# Allegro board BeagleV-FIRE_REV-A_230911.brd (continued)
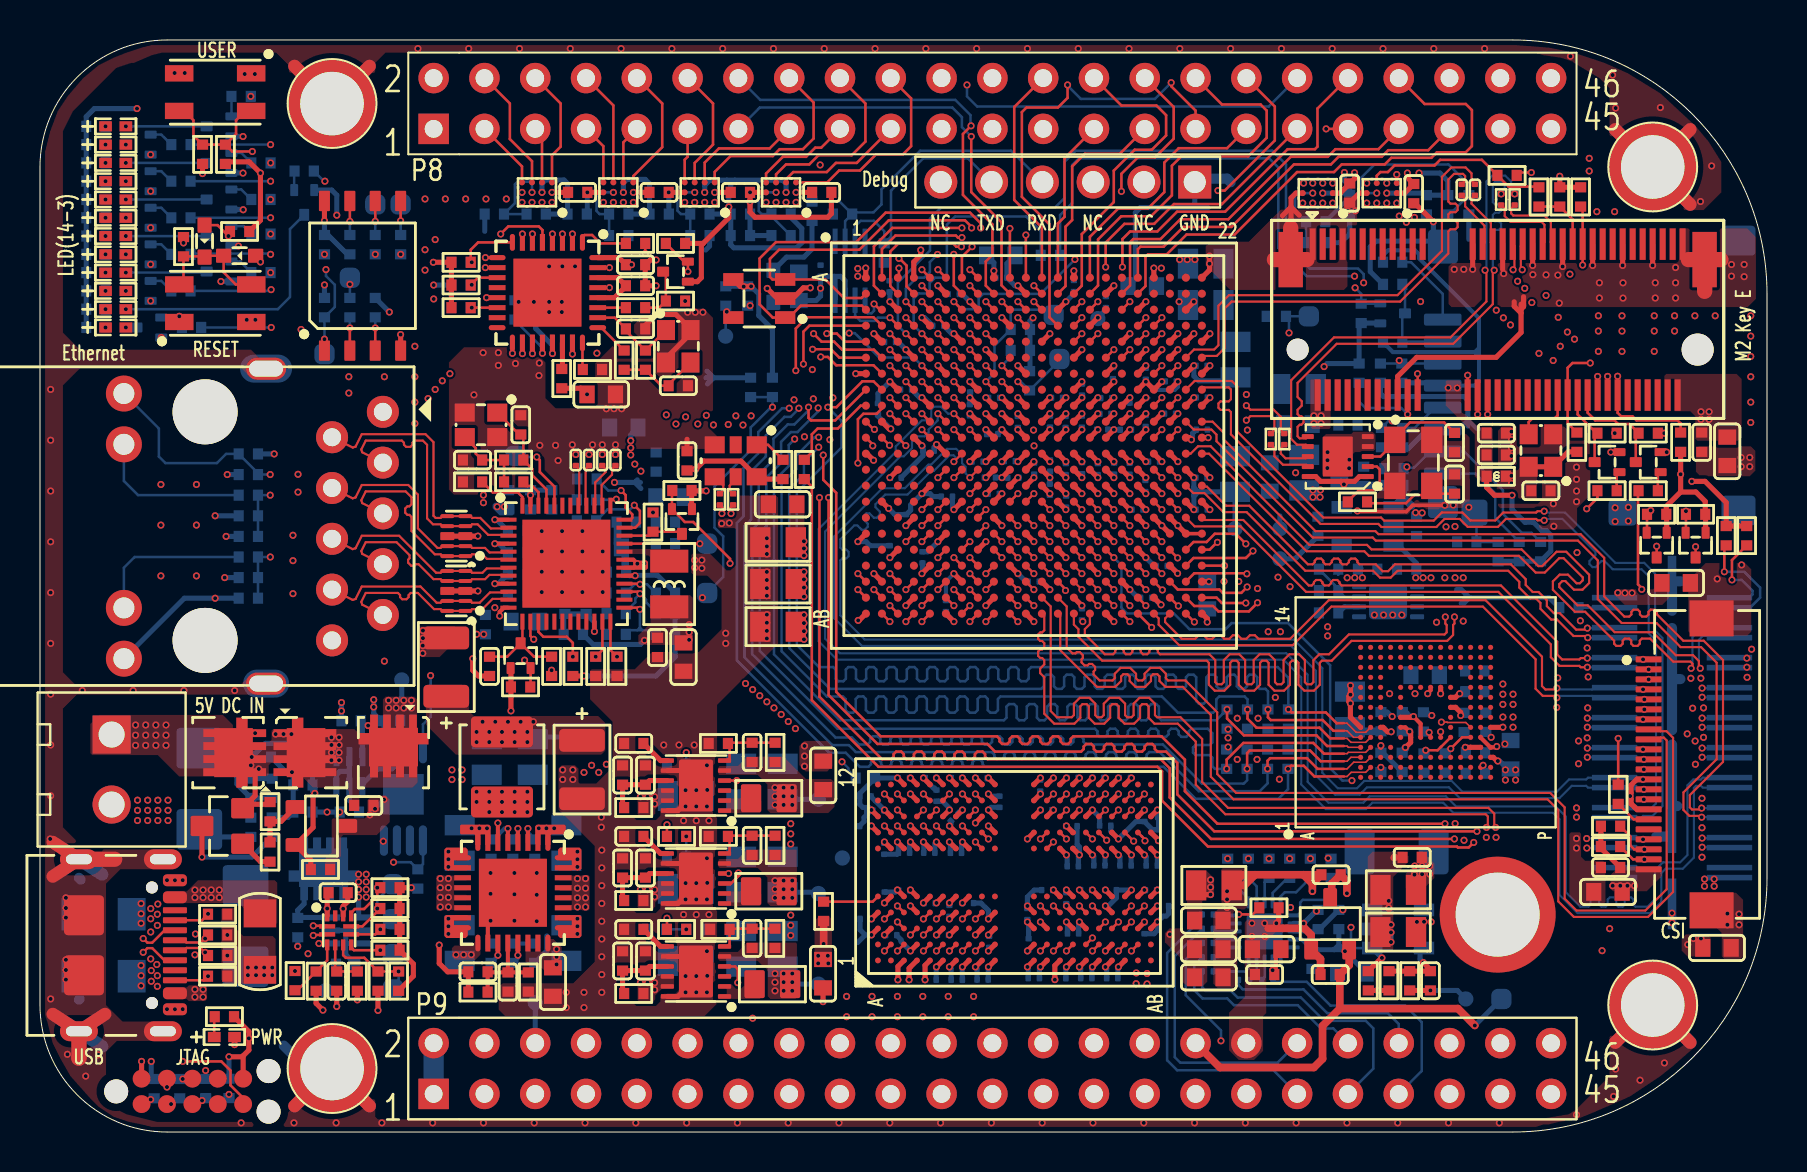
[diagram p0: board, top side]
## Footprints (pads in the part's own frame, mm; a bottom-side part is the same pattern mirrored in y, then rotated) (continued)
MICRO_SD_15X14_3X1_8MM
  rrect 0.6x1.88 smd: 1(8.8,-0.01) 2(7.7,-0.01) 3(6.6,-0.01) 4(5.5,-0.01) 5(4.4,-0.01) 6(3.3,-0.01) 7(2.2,-0.01) 8(1.1,-0.01)
  rrect 1.3x1.3 smd: 9(-0.85,1.58)
  rrect 1.3x1.4 smd: 10(-0.85,8.98)
  rrect 1.7x1.5 smd: S1(12.45,0)
  rrect 1.6x1.5 smd: S2(-0.325,0)
  rrect 1.5x1.7 smd: S3(-0.75,14.78) S4(12.75,14.78)
MTGH200C125D_PL
  round 4.445 hole 3.175: 1(0,0)
PTH_4_2MM_5D8
  round 5.8 hole 4.2: 1(0,0)
QFN20_0D4_3X3X0_75MM
  rrect 0.6x0.2 smd: 1(-1.45,0.8) 2(-1.45,0.4) 3(-1.45,0) 4(-1.45,-0.4) 5(-1.45,-0.8) 11(1.45,-0.8) 12(1.45,-0.4) 13(1.45,0) 14(1.45,0.4) 15(1.45,0.8)
  rrect 0.2x0.6 smd: 6(-0.8,-1.45) 7(-0.4,-1.45) 8(0,-1.45) 9(0.4,-1.45) 10(0.8,-1.45) 16(0.8,1.45) 17(0.4,1.45) 18(0,1.45) 19(-0.4,1.45) 20(-0.8,1.45)
  rrect 1.8x1.8 smd: 21(0,0)
QFN32_0D5_5X5MM_EP3P3MM
  oval 0.254x0.838 smd: 1(-1.751,-2.515) 8(1.751,-2.515) 17(1.751,2.515) 24(-1.751,2.515)
  rect 0.254x0.838 smd: 2(-1.251,-2.515) 3(-0.751,-2.515) 4(-0.25,-2.515) 5(0.25,-2.515) 6(0.751,-2.515) 7(1.251,-2.515) 18(1.251,2.515) 19(0.751,2.515) 20(0.25,2.515) 21(-0.25,2.515) 22(-0.751,2.515) 23(-1.251,2.515)
  oval 0.838x0.254 smd: 9(2.515,-1.751) 16(2.515,1.751) 25(-2.515,1.751) 32(-2.515,-1.751)
  rect 0.838x0.254 smd: 10(2.515,-1.251) 11(2.515,-0.751) 12(2.515,-0.25) 13(2.515,0.25) 14(2.515,0.751) 15(2.515,1.251) 26(-2.515,1.251) 27(-2.515,0.751) 28(-2.515,0.25) 29(-2.515,-0.25) 30(-2.515,-0.751) 31(-2.515,-1.251)
  rect 3.404x3.404 smd: 33(0,0)
QFN48_0D4_6X6_EP
  rect 0.8x0.2 smd: 1(-2.9,2.2) 2(-2.9,1.8) 3(-2.9,1.4) 4(-2.9,1) 5(-2.9,0.6) 6(-2.9,0.2) 7(-2.9,-0.2) 8(-2.9,-0.6) 9(-2.9,-1) 10(-2.9,-1.4) 11(-2.9,-1.8) 12(-2.9,-2.2) 25(2.9,-2.2) 26(2.9,-1.8) 27(2.9,-1.4) 28(2.9,-1) 29(2.9,-0.6) 30(2.9,-0.2) 31(2.9,0.2) 32(2.9,0.6) 33(2.9,1) 34(2.9,1.4) 35(2.9,1.8) 36(2.9,2.2)
  rect 0.2x0.8 smd: 13(-2.2,-2.9) 14(-1.8,-2.9) 15(-1.4,-2.9) 16(-1,-2.9) 17(-0.6,-2.9) 18(-0.2,-2.9) 19(0.2,-2.9) 20(0.6,-2.9) 21(1,-2.9) 22(1.4,-2.9) 23(1.8,-2.9) 24(2.2,-2.9) 37(2.2,2.9) 38(1.8,2.9) 39(1.4,2.9) 40(1,2.9) 41(0.6,2.9) 42(0.2,2.9) 43(-0.2,2.9) 44(-0.6,2.9) 45(-1,2.9) 46(-1.4,2.9) 47(-1.8,2.9) 48(-2.2,2.9)
  rect 4.4x4.4 smd: 49(0,0)
QSH40P_0D5_21D3X7D24MM
  round 0 hole 1.02 unplated: (-2.811,5.54) (17.322,5.54)
  rect 0.28x2.27 smd: 1(0,0) 2(0,5.74) 3(0.5,0) 4(0.5,5.74) 5(1.5,0) 6(1.5,5.74) 7(2,0) 8(2,5.74) 9(3,0) 10(3,5.74) 11(3.5,0) 12(3.5,5.74) 13(4.5,0) 14(4.5,5.74) 15(5,0) 16(5,5.74) 17(6,0) 18(6,5.74) 19(6.5,0) 20(6.5,5.74) 21(7.5,0) 22(7.5,5.74) 23(8,0) 24(8,5.74) 25(9,0) 26(9,5.74) 27(9.5,0) 28(9.5,5.74) 29(10.5,0) 30(10.5,5.74) 31(11,0) 32(11,5.74) 33(12,0) 34(12,5.74) 35(12.5,0) 36(12.5,5.74) 37(13.5,0) 38(13.5,5.74) 39(14,0) 40(14,5.74)
  rect 2.54x0.43 smd: 41(-0.82,2.87) 44(15.31,2.87)
  rect 4.7x0.43 smd: 42(4.07,2.87) 43(10.42,2.87)
R0201
  rrect 0.279x0.318 smd: 1(-0.279,0) 2(0.279,0)
R0402
  rect 0.508x0.559 smd: 1(-0.483,0) 2(0.483,0)
R1206
  rect 1.397x1.626 smd: 1(-1.41,0) 2(1.41,0)
RJ45_18P_21_23X15_93X13_3MM
  round 3.25 hole 3.25 unplated: (-5.715,0) (5.715,0)
  round 1.6 hole 0.9: 1(-5.715,8.89) 2(-4.445,6.35) 3(-3.175,8.89) 4(-1.905,6.35) 5(-0.635,8.89) 6(0.635,6.35) 7(1.905,8.89) 8(3.175,6.35) 9(4.445,8.89) 10(5.715,6.35)
  round 1.8 hole 1.05: 11(-6.63,-4.06) 12(-4.09,-4.06) 13(4.09,-4.06) 14(6.63,-4.06)
  oval 1.1x2 hole 0.8x1.7: 15(-7.875,3.05) 16(7.875,3.05)
SMINI6-F3-B
  rect 0.305x0.95 smd: 1(0.65,0.75) 2(0,0.75) 3(-0.65,0.75) 4(-0.65,-0.75) 5(0,-0.75) 6(0.65,-0.75)
SOD_523
  rrect 0.762x0.7 smd: 1(-0.8,0) 2(0.8,0)
SOIC8_1D27_5_2X5_2X1_95MM
  rrect 0.55x1.016 smd: 1(-1.905,-3.742) 2(-0.635,-3.742) 3(0.635,-3.742) 4(1.905,-3.742) 5(1.905,3.742) 6(0.635,3.742) 7(-0.635,3.742) 8(-1.905,3.742)
SOT23
  rrect 1.016x1.143 smd: 1(-0.889,-1.016) 2(0.889,-1.016) 3(0,1.016)
SOT23-5
  rect 0.635x1.016 smd: 1(-0.953,-1.295) 2(0,-1.295) 3(0.953,-1.295) 4(0.953,1.295) 5(-0.953,1.295)
SOT_23_3
  rrect 0.69x0.99 smd: 1(-0.95,-1.295) 2(0.95,-1.295) 3(0,1.295)
SOT_523
  rrect 0.4x0.6 smd: 1(0.5,0.62) 2(-0.5,0.62)
  rrect 0.5x0.6 smd: 3(0,-0.62)
SW_4P
  rect 1.422x0.813 smd: 1(-1.8,-0.94) 2(-1.8,0.94) 3(1.8,-0.94) 4(1.8,0.94)
TDFN10_0D5_3X3X0_8MM
  rrect 0.25x0.6 smd: 1(-1,-1.5) 2(-0.5,-1.5) 3(0,-1.5) 4(0.5,-1.5) 5(1,-1.5) 6(1,1.5) 7(0.5,1.5) 8(0,1.5) 9(-0.5,1.5) 10(-1,1.5)
  rrect 2x1.5 smd: 11(0,0)
TERMINAL_2P_3D5_STP128_7_4X7_7X8_5MM
  rect 1.905x1.905 hole 1.3: 1(-1.75,0)
  round 1.905 hole 1.3: 2(1.75,0)
TP30C_SMD
  round 0.762 smd: 1(0,0)
TP40S_SMD
  rrect 1.016x1.016 smd: 1(0,0)
U_8_DCU
  rect 0.254x1.27 smd: 1(-0.749,-1.473) 2(-0.249,-1.473) 3(0.249,-1.473) 4(0.749,-1.473) 5(0.749,1.473) 6(0.249,1.473) 7(-0.249,1.473) 8(-0.749,1.473)
USB2_0_TYPE_C
  round 0.6 hole 0.6 unplated: (-1.1,2.89) (-1.1,-2.89)
  rrect 1.2x0.3 smd: A5(0.05,1.25) A6(0.05,0.25) A7(0.05,-0.25) A8(0.05,-1.25) B5(0.05,-1.75) B6(0.05,-0.75) B7(0.05,0.75) B8(0.05,1.75)
  rrect 1.2x0.6 smd: B1(0.05,-3.2) B4(0.05,-2.4) B9(0.05,2.4) B12(0.05,3.25)
  oval 1.9x1 hole 1.3x0.5: S1(-4.75,4.3) S2(-0.55,4.3) S3(-4.75,-4.3) S4(-0.55,-4.3)
  rrect 2x2 smd: S5(-4.5,1.5) S6(-4.5,-1.5)
USON10_0D5_2D5X1X0D5MM
  oval 0.2x0.7 smd: 1(-1,-0.45) 2(-0.5,-0.45) 4(0.5,-0.45) 5(1,-0.45) 6(1,0.45) 7(0.5,0.45) 9(-0.5,0.45) 10(-1,0.45)
  rrect 0.4x0.7 smd: 3(0,-0.45) 8(0,0.45)
VDFN6_0D825_2_5X2X0_9MM
  rect 0.85x1 smd: 1(-0.8,1.05) 3(-0.8,-1.05) 4(0.8,-1.05) 6(0.8,1.05)
  rect 0.85x0.6 smd: 2(-0.8,0) 5(0.8,0)
VIRTUAL_SHORT
  rrect 0.051x0.051 smd: 1(-0.102,0) 2(0.102,0)
X2QFN12_0D4_1_6X1_6X0_35MM
  rect 0.8x0.22 smd: 1(-0.6,0.2) 2(-0.6,-0.2) 7(0.6,-0.2) 8(0.6,0.2)
  rect 0.22x0.55 smd: 3(-0.6,-0.725) 4(-0.2,-0.725) 5(0.2,-0.725) 6(0.6,-0.725) 9(0.6,0.725) 10(0.2,0.725) 11(-0.2,0.725) 12(-0.6,0.725)
X4-SMD-2_5X2_0X1_0MM
  rect 1x0.9 smd: 1(-0.813,-0.612) 2(0.813,-0.612) 3(0.813,0.612) 4(-0.813,0.612)
X4-SMD-3_2X2_5X1_0MM
  rect 1.321x1.067 smd: 1(-1.15,-0.925) 2(1.15,-0.925) 3(1.15,0.925) 4(-1.15,0.925)

## Nets
3V3_SD_CS: D12.2 J2.2 Q27.3 R209.2
3V3_USB0_RESETB: R214.2 U8.27
AGND: 1.2(B) C117.2 C119.2 C138.2 C139.2 P9.34 R273.2 U11.1 U11.20 U11.21
AVDD3V3: C287.1 C288.1 C289.1 R235.1 U28.1 U28.12
AVDD10: C99.1 C283.1 C284.1 C285.1 R234.1 U28.4 U28.9 U28.47
DVDD10: C92.1 C93.1 R221.2 U28.22
GND: 1.1 C1.2 C2.2 C3.2 C4.2 C5.2 C6.2 C7.2 C8.2 C9.2 C10.2 C11.2 C12.2 C13.2 C14.2 C15.2 C16.2 C17.2 C18.2 C19.2 C20.2 C21.2 C22.2 C23.2 C24.2 C25.2 C26.2 C28.2 C29.2 C30.2 C31.2 C32.2 C33.2 C34.2 C35.2 C36.2 C37.2 C38.2 C39.2 C40.2 C41.2 C42.2 C43.2 C44.2 C45.2 C46.2 C48.2 C49.2 C50.2 C51.2 C52.2 C53.2 C54.2 C55.2 C56.2 C57.2 C58.2 C59.2 C60.2 C61.2 C62.2 C63.2 C64.2 C65.2 C66.2 C67.2 C68.2 C69.2 C70.2 C71.2 C72.2 C73.2 C74.2 C75.2 C77.2 C81.2 C82.2 C83.1 C90.2 C91.2 C92.2 C93.2 C95.2 C96.2 C98.2 C99.2 C104.2 C105.2 C106.2 C107.2 C108.2 C109.2 C110.2 C111.2 C112.2 C113.2 C114.2 C115.2 C116.2 C120.2 C121.2 C127.2 C128.2 C129.2 C134.2 C135.2 C136.2 C140.2 C141.2 C142.2 C143.2 C144.2 C145.2 C146.2 C147.2 C148.2 C149.2 C150.2 C151.2 C152.2 C153.2 C154.2 C155.2 C156.2 C157.2 C158.2 C159.2 C160.2 C161.2 C162.2 C163.2 C164.2 C165.2 C166.2 C167.2 C168.2 C169.2 C170.2 C171.2 C172.2 C173.2 C174.2 C175.2 C176.2 C177.2 C178.2 C179.2 C180.2 C181.2 C182.2 C183.2 C184.2 C185.2 C186.2 C187.2 C188.2 C189.2 C190.2 C191.2 C192.2 C193.2 C194.2 C195.2 C196.2 C197.2 C198.2 C199.2 C200.2 C201.2 C202.2 C203.2 C204.2 C205.2 C206.2 C207.2 C208.2 C211.2 C212.2 C213.2 C215.2 C216.2 C217.2 C218.2 C219.2 C221.2 C222.2 C223.2 C224.2 C225.2 C226.2 C227.2 C228.2 C229.2 C230.2 C231.2 C232.2 C233.2 C234.2 C235.2 C236.2 C237.2 C238.2 C239.2 C240.2 C241.2 C242.2 C243.2 C244.2 C245.2 C246.2 C247.2 C248.2 C249.2 C250.2 C251.2 C252.2 C253.2 C254.2 C255.2 C256.2 C257.2 C258.2 C259.2 C260.2 C267.2 C268.2 C269.2 C270.2 C273.1 C274.2 C280.2 C281.2 C282.2 C283.2 C284.2 C285.2 C287.2 C288.2 C289.2 C290.2 C291.2 C292.2 C295.2 C296.2 C297.2 C298.2 C301.1 C302.2 C303.1 C304.2 C305.1 C306.2 C307.2 C308.1 C309.2 C310.1 C312.2 C313.2 C314.2 C315.2 C318.2 C319.2 C320.2 C321.2 C322.2 C323.2 C324.2 C327.2 D1.3 D1.8(GND1) D2.3 D2.8(GND1) D3.1 D4.1 D5.1 D6.1 D7.1 D8.1 D9.1 D10.1 D11.1 D12.1 D13.1 D14.1 D18.1 D19.1 D25.1 J1.2 J2.6(VSS) J2.10 J2.S1 J2.S2 J2.S3 J2.S4 J3.2 J3.10 J4.1 J5.B1 J5.B12 J6.1 J7.1 J7.4 J7.7 J7.10 J7.13 J7.16 J7.19 J7.23 J7.24 J8.41 J8.42 J8.43 J8.44(MP4) J9.1 J9.7 J9.18 J9.33 J9.39 J9.45 J9.51 J9.57 J9.63 J9.69 J9.75 J9.76 J9.77 LED1.2(C) MH4.1(NC) OSC1.2 P8.1 P8.2 P9.1 P9.2 P9.43 P9.44 P9.45 P9.46 Q3.2(S) Q4.2(S) Q5.2(S) Q6.2(S) Q7.2(S) Q8.2(S) Q9.2(S) Q10.2(S) Q11.2(S) Q12.2(S) Q13.2(S) Q14.2(S) Q15.2(S) Q16.2(S) R1.2 R2.2 R14.2 R16.2 R17.2 R32.1 R60.2 R61.2 R64.2 R66.2 R68.2 R70.2 R71.2 R117.2 R118.2 R138.2 R140.2 R141.2 R146.2 R149.2 R152.2 R153.2 R155.2 R171.2 R175.2 R177.2 R178.2 R179.2 R188.2 R190.2 R192.2 R222.2 R223.2 R252.2 R253.2 R274.2 R275.2 R276.2 R277.2 R278.2 R279.2 R283.2 R285.2 SW1.1 SW1.3 SW2.1 SW2.3 TP25.1(TP) TP26.1(TP) TP27.1(TP) TP29.1(TP) U1.A1 U1.A4 U1.A14 U1.A22 U1.AA4 U1.AA14 U1.AB1 U1.AB11 U1.AB22 U1.B11 U1.C8 U1.C18 U1.D5 U1.D15 U1.E2 U1.E12 U1.E20 U1.E21 U1.E22 U1.F9 U1.F18 U1.F19 U1.F20 U1.G6 U1.G16 U1.G18 U1.G22 U1.H3 U1.H20 U1.J8 U1.J10 U1.J12 U1.J14 U1.J16 U1.J22 U1.K9 U1.K11 U1.K13 U1.K15 U1.K17 U1.K20 U1.L4 U1.L10 U1.L12 U1.L14 U1.L16 U1.L18 U1.L22 U1.M1 U1.M9 U1.M11 U1.M13 U1.M15 U1.M17 U1.M19 U1.M20 U1.N10 U1.N12 U1.N14 U1.N16 U1.N18 U1.N22 U1.P5 U1.P9 U1.P11 U1.P13 U1.P15 U1.P17 U1.P20 U1.R2 U1.R18 U1.R22 U1.T9 U1.T18 U1.T19 U1.T20 U1.U6 U1.U16 U1.U20 U1.U21 U1.U22 U1.V3 U1.V13 U1.W10 U1.W20 U1.Y7 U1.Y17 U2.A3 U2.A10 U2.AB3 U2.AB5 U2.AB8 U2.AB10 U2.C1 U2.C5 U2.C8 U2.C12 U2.D2 U2.D4 U2.D9(VSS_9) U2.D11 U2.E1 U2.E5 U2.E8 U2.E12 U2.G1 U2.G3 U2.G5 U2.G8 U2.G10 U2.G12 U2.J1 U2.J3 U2.J10 U2.J12 U2.K2 U2.K4 U2.K9 U2.K11 U2.N2 U2.N4 U2.N9 U2.N11 U2.P1 U2.P3 U2.P10 U2.P12 U2.T1 U2.T3 U2.T5 U2.T8 U2.T10 U2.T12 U2.V1 U2.V5 U2.V8 U2.V12 U2.W2 U2.W4 U2.W9 U2.W11 U2.Y1 U2.Y5 U2.Y8 U2.Y12 U3.A6 U3.C4 U3.E7 U3.G5 U3.H10 U3.J5 U3.K8 U3.N2 U3.N5 U3.P4 U3.P6 U4.4 U7.3 U8.33 U9.10 U10.1 U10.9(PAD) U11.17 U13.9 U13.10 U13.15 U13.16 U13.18 U13.25 U13.26 U13.31 U13.32 U13.33 U14.2 U16.1(VSS) U17.4 U17.9 U18.8 U18.12 U18.13 U19.8 U19.12 U19.13 U20.8 U20.12 U20.13 U21.1 U21.4 U22.2 U28.49 U30.D2 U31.D2 U32.D2 U33.D2 U34.D2 U35.D2 U36.2 U38.4 U38.5 U38.11 U39.3 X1.2 X1.4 X2.2 X2.4 X3.2 X3.4
GND_EARTH: C83.2 J4.15 J4.16 J5.S1 J5.S2 J5.S3 J5.S4 J5.S5 J5.S6 MH1.1(NC) MH2.1(NC) MH3.1(NC) MH5.1(NC) R32.2
VCC_1V0: C148.1 C149.1 C150.1 C151.1 C152.1 C153.1 C154.1 C155.1 C156.1 C157.1 C158.1 C159.1 C160.1 C161.1 C162.1 C163.1 C164.1 C194.1 C195.1 C209.1 L1.2 R119.1 TP23.1(TP) U1.J15 U1.K12 U1.K14 U1.K16 U1.L11 U1.L13 U1.L17 U1.M12 U1.M14 U1.M16 U1.N11 U1.N13 U1.N15 U1.N17
VCC_1V1: C10.1 C11.1 C12.1 C13.1 C14.1 C15.1 C16.1 C17.1 C18.1 C19.1 C20.1 C21.1 C22.1 C23.1 C24.1 C25.1 C26.1 C28.1 C29.1 C30.1 C31.1 C32.1 C33.1 C34.1 C35.1 C36.1 C37.1 C38.1 C39.1 C40.1 C41.1 C42.1 C43.1 C44.1 C45.1 C46.1 C48.1 C49.1 C50.1 C51.1 C52.1 C53.1 C54.1 C55.1 C56.1 C57.1 C59.1 C60.1 C61.1 C62.1 C220.1 C221.1 C222.1 C253.1 C254.1 C255.1 C256.1 C257.1 C258.1 C259.1 L3.2 R3.2 R148.1 TP24.1(TP) U1.AA9 U1.AB6 U1.N3 U1.R7 U1.T4 U1.U1 U1.U11 U1.V8 U1.W5 U1.Y2 U2.A4 U2.A9 U2.AA3 U2.AA5 U2.AA8 U2.AA10 U2.AB4 U2.AB9 U2.B3 U2.B5 U2.B8 U2.B10 U2.D1 U2.D5 U2.D8 U2.D12 U2.F3 U2.F5 U2.F8 U2.F10 U2.H1 U2.H5 U2.H8 U2.H12 U2.K1 U2.K3 U2.K10 U2.K12 U2.N1 U2.N3 U2.N10 U2.N12 U2.R1 U2.R5 U2.R8 U2.R12 U2.U3 U2.U5 U2.U8 U2.U10 U2.W1 U2.W5 U2.W8 U2.W12 U19.5
VCC_1V8: C2.1 C3.1 C4.1 C5.1 C6.1 C7.1 C8.1 C9.1 C27.1 C58.1 C67.1 C68.1 C69.1 C70.1 C71.1 C73.1 C113.1 C165.1 C166.1 C167.1 C168.1 C169.1 C200.1 C227.1 C228.1 C229.1 C230.1 C232.1 C243.1 C244.1 C245.1 C273.2 C301.2 C303.2 C305.2 C308.2 C310.2 L2.2 Q19.1 Q20.1 Q24.1 Q25.1 Q27.1 Q28.1 R4.1 R5.1 R6.1 R7.1 R8.1 R9.1 R10.1 R11.1 R12.1 R13.1 R88.1 R93.1 R99.1 R103.1 R139.1 R145.1 R154.1 R156.1 R210.1 R213.1 R217.1 R218.1 R244.1 R245.1 R246.2 R247.2 R248.2 TP20.1(TP) U1.AA19 U1.AB16 U1.J5 U1.K2 U1.P10 U1.P12 U1.P14 U1.P16 U1.R13 U1.T14 U1.V18 U1.W15 U1.Y12 U1.Y22 U2.F1 U2.F12 U2.G4 U2.G9 U2.T4 U2.T9 U2.U1 U2.U12 U3.C6 U3.M4 U3.N4 U3.P3 U3.P5 U18.5 U30.B2 U31.B2 U32.B2 U33.B2 U34.B2 U35.B2
VCC_2V5: C170.1 C171.1 C172.1 C173.1 C174.1 C175.1 C176.1 C177.1 C178.1 C186.1 C187.1 C188.1 C197.1 C249.1 C250.1 C251.1 TP22.1(TP) U1.H8 U1.J17 U1.J18 U1.K18 U1.L15 U1.M10 U1.M18 U1.N9 U1.P18 U1.R9 U1.R17 U14.5(OUT)
VCC_3V3: C63.1 C64.1 C65.1 C66.1 C72.1 C81.1 C82.1 C98.1 C107.1 C112.1 C127.1 C128.1 C129.1 C134.1 C135.1 C136.1 C179.1 C180.1 C181.1 C182.1 C183.1 C184.1 C185.1 C189.1 C196.1 C198.1 C204.1 C205.1 C206.1 C214.1 C231.1 C233.1 C234.1 C235.1 C236.1 C237.1 C238.1 C239.1 C240.1 C241.1 C242.1 C246.1 C247.1 C248.1 C269.1 C274.1 C302.1 C304.1 C306.1 C307.1 C309.1 C319.1 D17.1 FB2.2 FB3.1 FB4.1 J3.6 J7.22 J8.40 J9.2 J9.4 J9.72 J9.74 L4.2 OSC1.1 OSC1.4(VDD) P9.3 P9.4 R15.1 R22.1 R23.1 R24.1 R25.1 R26.1 R27.1 R28.1 R39.1 R54.1 R55.1 R56.1 R57.1 R58.1 R59.1 R62.1 R63.1 R65.1 R67.1 R69.1 R78.1 R79.1 R92.1 R96.1 R97.1 R108.1 R109.1 R110.1 R111.1 R112.1 R113.1 R114.1 R115.1 R116.1 R120.1 R121.1 R122.1 R123.1 R124.1 R125.1 R212.1 R220.1 R235.2 R249.1 R250.1 TP19.1(TP) U1.A9 U1.A19 U1.B6 U1.B16 U1.C3 U1.C13 U1.C21 U1.D10 U1.E7 U1.E17 U1.F4 U1.F14 U1.G1 U1.G11 U1.H14 U1.H16 U1.J9 U1.J11 U1.J13 U1.K8 U1.K10 U1.L9 U1.M6 U1.M8 U3.E6 U3.F5 U3.J10 U3.K9 U4.8 U7.6(VDD) U8.32 U9.12(VDD) U11.18 U14.1 U14.3 U17.1 U17.2 U17.3 U20.5 U21.7 U21.8(VCC) U22.4 U30.A2(VCCB) U31.A2(VCCB) U32.A2(VCCB) U33.A2(VCCB) U34.A2(VCCB) U35.A2(VCCB)
VCCA_1V0: C140.1 C141.1 C142.1 C143.1 C144.1 C145.1 C146.1 C147.1 C199.1 R107.1 TP21.1(TP) U1.G21 U1.J21 U1.K19 U1.L21 U1.N21 U1.P19 U1.R21 U17.8(VOUT)
VDD_5V: C327.1 P9.5 P9.6 Q1.5 Q18.1 Q29.5 TP31.1(TP)
VDD_ADC: C121.1 C138.1 C139.1 FB2.1 P9.32 TP30.1(TP) U11.19 U16.2
ADC_CSN: R72.1 U1.E4
ADC_IRON: R76.1 U1.B3
ADC_MCLK: R77.1 U1.E19
ADC_MISO: D10.2 J2.7 R75.1 R168.2 U1.A2
ADC_MOSI: D11.2 J2.3 R74.1 R162.2 U1.B2
ADC_SCK: R159.1 U1.E5
ADC_SCK_1: C315.1 D14.2 J2.5 R73.1 R159.2
ADC_VREF: C117.1 C119.1 U11.2
AIN0: P9.39 R266.2
AIN1: P9.40 R267.2
AIN2: P9.37 R268.2
AIN3: P9.38 R269.2
AIN4: P9.33 R270.2
AIN5: P9.36 R271.2
AIN6: P9.35 R272.2
B0_CSI1_PWDN: U1.Y13 U35.A1
B0_HSIO66N: U1.V22 U30.D1
B0_HSIO66P: U1.W22 U30.C1
B0_HSIO67N: U1.Y21 U32.D1
B0_HSIO67P: U1.Y20 U32.C1
B0_HSIO68N: U1.V21 U31.B1
B0_HSIO68P: U1.W21 U31.A1
B0_HSIO69N: U1.AA22 U33.B1
B0_HSIO69P: U1.AA21 U33.C1
B0_HSIO70N: J8.14 U1.AB20
B0_HSIO70P: J8.16 U1.AB19
B0_HSIO71N: J8.18 U1.AA20
B0_HSIO71P: J8.20 U1.AB21
B0_HSIO72N: U1.V19 U30.B1
B0_HSIO72P: U1.V20 U30.A1
B0_HSIO73N_C2P_CLKN: J8.36 U1.U17
B0_HSIO73P_C2P_CLKP: J8.34 U1.T17
B0_HSIO75N: U1.R16 U34.A1
B0_HSIO75P: U1.T16 U34.C1
B0_HSIO76N_VIO_EN: R253.1 U1.V16 U36.1
B0_HSIO76P: U1.V17 U33.D1
B0_HSIO78N: U1.AA18 U33.A1
B0_HSIO78P: U1.AB18 U35.D1
B0_HSIO79N: U1.W18 U34.B1
B0_HSIO81N: J8.21 U1.AA17
B0_HSIO81P: J8.23 U1.AB17
B0_HSIO82N: J8.17 U1.Y16
B0_HSIO82P: J8.19 U1.AA16
B0_HSIO83N: J8.22 U1.W17
B0_HSIO83P: J8.24 U1.W16
B0_HSIO89P: U1.W13 U34.D1
B0_HSIO90N: U1.V15 U31.D1
B0_HSIO90P: U1.V14 U31.C1
B0_HSIO94N: U1.T12 U32.B1
B0_HSIO94P: U1.U12 U32.A1
B1_GPIO0N: P9.23 U1.C12
B1_GPIO0P: P9.24 U1.B12
B1_GPIO1N: P8.26 U1.A12
B1_GPIO1P: P8.27 U1.A13
B1_GPIO2N: P8.30 U1.D14
B1_GPIO2P: P8.31 U1.D13
B1_GPIO3N: P8.28 U1.B14
B1_GPIO3P: P8.29 U1.B13
B1_GPIO4N: P8.34 U1.C15
B1_GPIO4P: P8.35 U1.C14
B1_GPIO5N: P8.32 U1.B15
B1_GPIO5P: P8.33 U1.A15
B1_GPIO9N: P9.42 U1.E14
B1_GPIO9P: P9.41 U1.E15
B1_GPIO11N: P9.30 U1.F16
B1_GPIO11P: P9.29 U1.F17
B1_GPIO14N: P9.13 U1.D19
B1_GPIO15N: P8.38 U1.C17
B1_GPIO15P: P8.39 U1.B17
B1_GPIO16N: P9.31 U1.E18
B1_GPIO16P: P8.46 U1.D18
B1_GPIO17N: P8.40 U1.B18
B1_GPIO17P: P8.41 U1.A18
B1_GPIO168N: P8.42 U1.D6
B1_GPIO168P: P8.43 U1.D7
B1_GPIO169N: P8.36 U1.B4
B1_GPIO169P: P8.37 U1.C4
B1_GPIO170N: P9.11 U1.B5
B1_GPIO170P: P9.12 U1.C5
B1_GPIO171P: P9.14 U1.C6
B1_GPIO172N: P9.15 U1.A5
B1_GPIO172P: P9.16 U1.A6
B1_GPIO173N: P9.25 U1.B7
B1_GPIO173P: P9.26 U1.A7
B1_GPIO174N: P8.44 U1.D8
B1_GPIO174P: P8.45 U1.D9
B1_GPIO175N: P9.21 U1.B8
B1_GPIO175P: P9.22 U1.A8
B1_GPIO176N: P9.17 U1.C9
B1_GPIO176P: P9.18 U1.C10
B1_GPIO178N: P9.27 U1.D11
B1_GPIO178P: P9.28 U1.C11
CAM_C_N: J7.8 U1.AB13
CAM_C_P: J7.9 U1.AA13
CAM_D0_N: J7.2 U1.AB12
CAM_D0_P: J7.3 U1.AA12
CAM_D1_N: J7.5 U1.W14
CAM_D1_P: J7.6 U1.Y14
CAM_D2_N: J7.11 U1.AA15
CAM_D2_P: J7.12 U1.Y15
CAM_D3_N: J7.14 U1.AB15
CAM_D3_P: J7.15 U1.AB14
CSI1_PWDN: R265.2 U35.A3
EMMC_CLK: R254.1 U1.J1
EMMC_CMD: R13.2 U1.K5 U3.M5
EMMC_DATA0: R11.2 U1.H1 U3.A3
EMMC_DATA1: R10.2 U1.J4 U3.A4
EMMC_DATA2: R9.2 U1.K4 U3.A5
EMMC_DATA3: R8.2 U1.J7 U3.B2
EMMC_DATA4: R7.2 U1.J6 U3.B3
EMMC_DATA5: R6.2 U1.H6 U3.B4
EMMC_DATA6: R5.2 U1.J3 U3.B5
EMMC_DATA7: R4.2 U1.H2 U3.B6
EMMC_DQ: R14.1 U1.K3 U3.H5
EMMC_RSTN: R12.2 U1.H4 U3.K5
EXT_VDD_5V: D25.2 J1.1 Q31.5
EXT_VDD_5V_R: C325.1 C328.1 Q29.1 Q29.2 Q29.3(S3) Q30.2(E) Q31.1 Q31.2 Q31.3(S3) R280.1 R281.1 R284.1
FABRIC_I2C0_SCL: J8.1 P9.19 R250.2 U1.A10
FABRIC_I2C0_SDA: J8.3 P9.20 R249.2 U1.A11
H_M2_CLKREQ0N: R262.2 R263.1 U35.C3
H_M2_PERST0N: J9.52 R92.2 U35.B3
I2C1_SCL: J7.20 Q20.3 R109.2 U1.C1 U22.1
I2C1_SDA: J7.21 Q19.3 R108.2 U1.B1 U22.3
JTAT_TCK: J3.1 R16.1 U1.E9
JTAT_TDI: J3.9 U1.G9
JTAT_TDO: J3.3 R18.1
JTAT_TMS: J3.5 U1.F8
JTAT_TRSTB: J3.8 R17.1 U1.G8
LPDDR4_CA0: U1.T5 U2.H2 U2.R2
LPDDR4_CA1: U1.T6 U2.J2 U2.P2
LPDDR4_CA2: U1.V7 U2.H9 U2.R9
LPDDR4_CA3: U1.V6 U2.H10 U2.R10
LPDDR4_CA4: U1.R6 U2.H11 U2.R11
LPDDR4_CA5: U1.R5 U2.J11 U2.P11
LPDDR4_CK_N: U1.U4 U2.J9 U2.P9
LPDDR4_CK_P: U1.U5 U2.J8 U2.P8
LPDDR4_CKE0_A: U1.K1 U2.J4 U2.P4
LPDDR4_CS0_A: U1.L3 U2.H4 U2.R4
LPDDR4_DMI0: U1.AB4 U2.C3
LPDDR4_DMI1: U1.AA7 U2.C10
LPDDR4_DMI2: U1.Y10 U2.Y3
LPDDR4_DMI3: U1.T10 U2.Y10
LPDDR4_DQ0: U1.Y3 U2.B2
LPDDR4_DQ1: U1.Y4 U2.C2
LPDDR4_DQ2: U1.Y1 U2.E2
LPDDR4_DQ3: U1.AA1 U2.F2
LPDDR4_DQ4: U1.Y5 U2.F4
LPDDR4_DQ5: U1.AA5 U2.E4
LPDDR4_DQ6: U1.AB2 U2.C4
LPDDR4_DQ7: U1.AB3 U2.B4
LPDDR4_DQ8: U1.W8 U2.B11
LPDDR4_DQ9: U1.W7 U2.C11
LPDDR4_DQ10: U1.AB5 U2.E11
LPDDR4_DQ11: U1.AA6 U2.F11
LPDDR4_DQ12: U1.AB7 U2.F9
LPDDR4_DQ13: U1.AB8 U2.E9
LPDDR4_DQ14: U1.Y8 U2.C9
LPDDR4_DQ15: U1.AA8 U2.B9
LPDDR4_DQ16: U1.Y9 U2.AA2
LPDDR4_DQ17: U1.W9 U2.Y2
LPDDR4_DQ18: U1.AB9 U2.V2
LPDDR4_DQ19: U1.AB10 U2.U2
LPDDR4_DQ20: U1.V11 U2.U4
LPDDR4_DQ21: U1.V10 U2.V4
LPDDR4_DQ22: U1.Y11 U2.Y4
LPDDR4_DQ23: U1.W11 U2.AA4
LPDDR4_DQ24: U1.U8 U2.AA11
LPDDR4_DQ25: U1.T8 U2.Y11
LPDDR4_DQ26: U1.T11 U2.V11
LPDDR4_DQ27: U1.U10 U2.U11
LPDDR4_DQ28: U1.R11 U2.U9
LPDDR4_DQ29: U1.R10 U2.V9
LPDDR4_DQ30: U1.R8 U2.Y9
LPDDR4_DQ31: U1.P8 U2.AA9
LPDDR4_DQS0_N: U1.AA3 U2.E3
LPDDR4_DQS0_P: U1.AA2 U2.D3
LPDDR4_DQS1_N: U1.W6 U2.E10
LPDDR4_DQS1_P: U1.Y6 U2.D10
LPDDR4_DQS2_N: U1.AA10 U2.V3
LPDDR4_DQS2_P: U1.AA11 U2.W3
LPDDR4_DQS3_N: U1.V9 U2.V10
LPDDR4_DQS3_P: U1.U9 U2.W10
LPDDR4_ODT_CA_A: U1.L1 U2.G2 U2.T2
LPDDR4_RESETN: R2.1 U1.L2 U2.T11
M2_32KHZ: J9.50 OSC1.3
M2_CLKREQ0N: U1.W19 U35.C1
M2_I2C_ALTN: J9.62 R93.2 U1.U15
M2_PER0_N: J9.43 U1.G19
M2_PER0_P: J9.41 U1.G20
M2_PERST0N: U1.Y18 U35.B1
M2_PET0_N: C132.2 U1.F21
M2_PET0_P: C133.2 U1.F22
M2_PEWAKEN: J9.55 R78.2 U1.R14
M2_REFCLK_N: R173.2 U38.7
M2_REFCLK_P: R174.2 U38.6
M2_UART_CTS: J9.34 U1.U14
M2_UART_RTS: J9.36 U1.U13
M2_UART_RXD: J9.22 U1.T13
M2_UART_TXD: J9.32 U1.R12
M2_UART_WAKEN: J9.20 R88.2 U1.T15
M2_W_DISABLE1: R95.1 U1.U19
M2_W_DISABLE2: R94.1 U1.R15
MSS_REFCLK_IN_N: R37.1 U1.L8
MSS_REFCLK_IN_P: R38.1 U1.L7
MSS_SGMII_RX0_N: C88.1 U1.L6
MSS_SGMII_RX0_P: C87.1 U1.L5
MSS_SGMII_RX1_N: J8.27 U1.K7
MSS_SGMII_RX1_P: J8.25 U1.K6
MSS_SGMII_TX0_N: C86.1 U1.N7
MSS_SGMII_TX0_P: C85.1 U1.N6
MSS_SGMII_TX1_N: J8.28 U1.N8
MSS_SGMII_TX1_P: J8.26 U1.M7
P8_PIN3: P8.3 R126.1 U30.D3
P8_PIN4: P8.4 R128.1 U30.C3
P8_PIN5: P8.5 R129.1 U30.B3
P8_PIN6: P8.6 R130.1 U30.A3
P8_PIN7: P8.7 R131.1 U31.D3
P8_PIN8: P8.8 R132.1 U31.C3
P8_PIN9: P8.9 R133.1 U31.B3
P8_PIN10: P8.10 R134.1 U31.A3
P8_PIN11: P8.11 R135.1 U32.D3
P8_PIN12: P8.12 R136.1 U32.C3
P8_PIN13: P8.13 R137.1 U1.B10
P8_PIN14: P8.14 R127.1 U1.B9
P8_PIN15: P8.15 U32.B3
P8_PIN16: P8.16 U32.A3
P8_PIN17: P8.17 U34.D3
P8_PIN18: P8.18 U34.C3
P8_PIN19: P8.19 U34.B3
P8_PIN20: P8.20 U34.A3
P8_PIN21: P8.21 U33.C3
P8_PIN22: P8.22 U33.B3
P8_PIN23: P8.23 U35.D3
P8_PIN24: P8.24 U33.A3
P8_PIN25: P8.25 U33.D3
PG_1V0: R102.1 R151.1 U13.6
PG_1V8: R150.2 U18.3 U19.4
PHY_DVDD3V3: C90.1 C91.1 C282.1 C290.1 J4.14 R176.1 R186.2 R199.1 R200.1 R215.1 R216.1 R220.2 U28.30 U28.31
PHY_DVDD_RG: C291.1 C292.1 R180.1 R181.1 R186.1 R187.1 R189.1 R191.1 R219.1 U28.29
PHY_INTN: Q24.2(S) R217.2 U1.V12
PHY_LED0/PHYAD0: C297.1 R176.2 R179.1 R232.1 U28.35
PHY_LED1: C296.1 J4.11 R199.2 R222.1 U28.36
PHY_LED2: C295.1 R200.2 R223.1 R233.1 U28.37
PHY_MDC: U1.A3 U28.14
PHY_MDIO: R219.2 U1.E3 U28.15
PHY_OUT: R182.1 U28.46(XTAL_OUT/EXT_CLK)
PHY_RSTN: Q25.2(S) R218.2 U1.U18
PHY_SGMII_SIN: C86.2 U28.39
PHY_SGMII_SIP: C85.2 U28.38
PHY_SGMII_SON: C88.2 U28.41
PHY_SGMII_SOP: C87.2 U28.40
PHY_TDA_N: D2.4 D2.7 J4.3 U28.3
PHY_TDA_P: D2.5 D2.6 J4.2 U28.2
PHY_TDB_N: D2.1 D2.10 J4.5 U28.6
PHY_TDB_P: D2.2 D2.9 J4.4 U28.5
PHY_TDC_N: D1.4 D1.7 J4.7 U28.8
PHY_TDC_P: D1.5 D1.6 J4.6 U28.7
PHY_TDD_N: D1.1 D1.10 J4.9 U28.11
PHY_TDD_P: D1.2 D1.9 J4.8 U28.10
PHY_VDDIO: C280.1 C281.1 L5.2 R221.1 R234.2
PHY_XI: C95.1 R34.1 U28.45 X1.1
PHYINT: Q24.3 R215.2 U28.34
PHYRST: C298.1 Q25.3 R216.2 U28.13
PWDN: J7.17 R265.1
REGOUT: L5.1 U28.32
RX_CTRL/PHYAD2: R177.1 R181.2 U28.27
RXC/PHYAD1: R178.1 R180.2 U28.28
RXD1/CFG_MODE0: R187.2 R190.1 U28.25
RXD2/CFG_MODE1: R188.1 R191.2 U28.24
RXD3/CFG_MODE2: R189.2 R192.1 U28.23
SD_3V3: C75.1 C77.1 FB3.2 J2.4 R161.1 R162.1 R165.1 R167.1 R168.1 R209.1
SD_DET: D13.2 J2.9 R161.2 U1.C7
SDCARD_CS: Q27.2(S) R210.2 U1.H5
SPI_EN: R24.2 TP1.1(TP) U1.H11
SPI_MISO: R21.2 TP4.1(TP) U1.H10
SPI_MODE: R23.2 TP2.1(TP) U1.H9
SPI_MOSI: R19.2 TP3.1(TP) U4.5
SPI_SCK: R20.2 TP6.1(TP) U4.6
SPI_SS: R27.2 TP5.1(TP) U1.G7 U4.1
SYS_5V: C1.1 C109.1 C114.1 C116.1 C120.1 C190.1 C191.1 C192.1 C193.1 C203.1 C219.1 C312.1 C320.1 J8.2 P9.7 P9.8 Q1.1 Q1.2 Q1.3(S3) Q2.4(E) Q17.1 Q17.2 Q17.3(S3) Q18.4(E) R100.1 R101.1 R143.1 R144.1 R147.1 R150.1 TP17.1(TP) U8.21 U10.2 U10.3 U13.1 U13.2 U13.7 U13.8 U13.17 U13.22 U13.23 U13.24 U16.3 U18.10 U18.11 U19.10 U19.11 U20.10 U20.11 U36.4(VIN)
SYS_RSTN: C226.1 D16.1 P9.10 R28.2 TP7.1(TP) U1.H7
UART0_RXD: U1.D3 U21.6
UART0_TXD: U1.C2 U21.5
USB0_CC1: D7.2 J5.A5 U9.1
USB0_CC2: D6.2 J5.B5 U9.2
USB0_CLK: R48.1 U1.G2
USB0_CPEN: U8.17 U10.4
USB0_DATA0: U1.F2 U8.3
USB0_DATA1: U1.E1 U8.4
USB0_DATA2: U1.G3 U8.5
USB0_DATA3: U1.F5 U8.6
USB0_DATA4: U1.D1 U8.7
USB0_DATA5: U1.D2 U8.9
USB0_DATA6: U1.F6 U8.10
USB0_DATA7: U1.F3 U8.13
USB0_DIR: U1.F1 U8.31
USB0_DM: D4.2 J5.A7 J5.B7 U8.19
USB0_DP: D3.2 J5.A6 J5.B6 U8.18
USB0_ID: R54.2 U8.23 U9.9
USB0_NXT: U1.G5 U8.2
USB0_OCN: R55.2 U1.D4 U10.5
USB0_REFSEL0: R69.2 R70.1 U8.8
USB0_REFSEL1: R67.2 R68.1 U8.11
USB0_REFSEL2: R65.2 R66.1 U8.14
USB0_RESETB: Q28.2(S) R213.2 U1.Y19
USB0_STP: U1.G4 U8.29
USB0_VBUS: R49.1 U8.22
USB0_XI: C104.1 R52.1 U8.26 X2.1
USB0_XO: R51.1 U8.25(XO)
USB_5V: C108.1 C115.1 D8.2 J5.B4 J5.B9 Q2.1 Q17.5 R49.2 R53.2 U10.6 U10.7 U10.8
USER_BOTTON: D9.2 R139.2 SW2.2 SW2.4(B2) U1.J2
VIO_1V8: C311.1 C313.1 C314.1 C318.1 J8.39 L6.2 R251.1 TP18.1(TP)
VREF_XCVR: C252.1 C260.1 R152.1 TP14.1(TP) U1.H18 U1.H19(XCVR_VREF_2)
W_DISABLE1N: J9.56 Q7.3 R97.2
W_DISABLE2N: J9.54(W_DISABLE2#(O)(0/3.3V)) Q6.3 R96.2
WARM_RST: D15.1 R99.2 U1.W12
XCVR_0A_REFCLK_N: R105.1 U38.9
XCVR_0A_REFCLK_P: R106.1 U38.8
XCVR_0B_REFCLK_N: J8.15 U1.N20
XCVR_0B_REFCLK_P: J8.13 U1.N19
XCVR_0C_REFCLK_N: J8.35 U1.J20
XCVR_0C_REFCLK_P: J8.33 U1.J19
XCVR_RX1_N: J8.31 U1.K21
XCVR_RX1_P: J8.29 U1.K22
XCVR_RX2_N: J8.7 U1.M21
XCVR_RX2_P: J8.5 U1.M22
XCVR_RX3_N: J8.11 U1.R19
XCVR_RX3_P: J8.9 U1.R20
XCVR_TX1_N: J8.32 U1.H21
XCVR_TX1_P: J8.30 U1.H22
XCVR_TX2_N: J8.8 U1.P21
XCVR_TX2_P: J8.6 U1.P22
XCVR_TX3_N: J8.12 U1.T21
XCVR_TX3_P: J8.10 U1.T22
N8261413: R3.1 U2.A5